# Altium PCB PCBv1.2.PcbDoc (part 1 of 2) (continued)
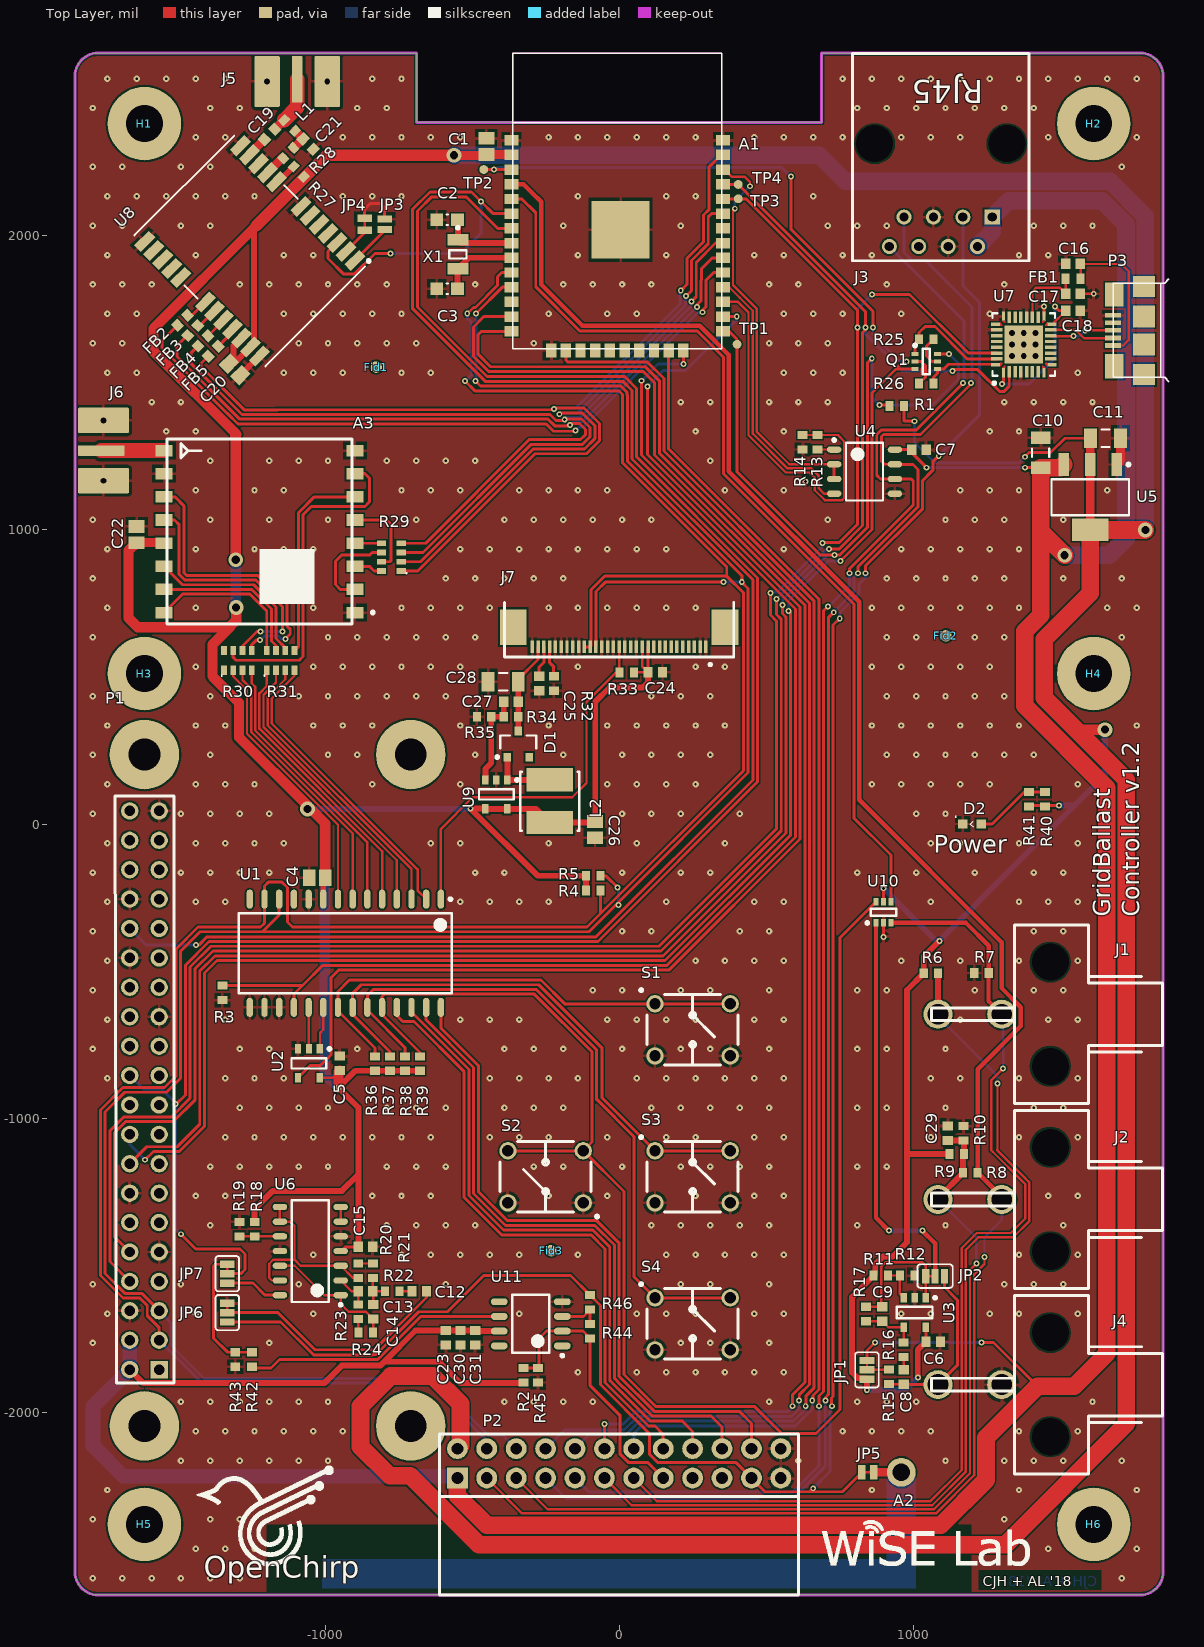
[diagram p0: Top Layer view]
## Footprints (in the part's own frame and the unit in brackets; to place one, negate y for a bottom-side part, rotate by r counter-clockwise, add the part's x,y. Pads: shape width x height; smd on the part's side, far side on the other; paste and mask are expansions set on the pad) (continued)
  rect 0.9x1.2 smd: 15(3.302,-0.127) 16(4.57,-0.127) 17(5.84,-0.127) 18(7.11,-0.127) 19(8.38,-0.127) 20(9.65,-0.127) 21(10.92,-0.127) 22(12.19,-0.127) 23(13.46,-0.127) 24(14.73,-0.127)
  Keep-Out Layer region: 0,19.558 18.034,19.558 18.034,25.527 0,25.527
  silkscreen extent 0,0 18.03,25.53, body extent 0,0 18.03,25.53, height 2
FB1608X09L [mm] "Chip Ferrite Bead, 2-Leads, Body 1.60x0.80mm, IPC High Density"
  rect 0.77x0.88 smd: 1(-0.615,0) 2(0.615,0)
  body extent -0.88,-0.48 0.88,0.48, height 0.95
"Fiducial 1mm" [mm] "Fiducial 1mm"
  round 1 smd paste-1 mask+0: ""(0,0)
"INDC1608X09L - IND0603 0.95MM TALL" [mm] "Chip Inductor, 2-Leads, Body 1.60x0.80mm, IPC High Density"
  rect 0.67x0.88 smd: 1(-0.665,0) 2(0.665,0)
  body extent -0.87,-0.48 0.87,0.47, height 0.95
"INDC1608X10L - FL0603" [mm] "Chip Inductor, 2-Leads, Body 1.60x0.80mm, IPC High Density"
  rect 0.68x0.92 smd: 1(-0.66,0) 2(0.66,0)
  body extent -0.9,-0.5 0.9,0.5, height 1
INDP4949X20L [mm] "Precision Wire Wound Inductor, 2-Leads, Body 4.90x4.90mm, IPC High Density"
  rect 2x4 smd: 1(-1.85,0) 2(1.85,0)
  silkscreen extent -2.55,-2.55 2.55,2.55, body extent -2.55,-2.45 2.55,2.45, height 2.1
ITTI-14340272-32.768KHz-2_V [mm] "Hand Drawn, 2-Leads, Body 3.2x1.5mm, Pitch 2.5mm"
  rect 1x1.8 smd: 1(-1.25,0) 2(1.25,0)
  silkscreen extent -2.43,-0.75 0.35,0.75, body extent -1.6,-0.75 1.6,0.75, height 0.9
"LED-0603-BLUE .7MM TALL" [mm] "Chip Diode, 2-Leads, Body 1.60x0.80mm, IPC High Density"
  rect 0.8x0.8 smd: A(0.8,0) K(-0.8,0)
  silkscreen extent -1.45,-0.25 0.13,0.68, body extent -1.01,-0.54 1.01,0.53, height 0.6
MicroUSB_TypeB [mm]
  rect 1.8x1.9 smd: 0(0,0) 0(7.6,0)
  rect 2.1x1.6 smd: 0(0.7,2.55) 0(6.9,2.55)
  rect 1.9x1.9 smd: 0(2.6,0) 0(5,0)
  rect 0.4x1.35 smd: 1(2.5,2.675) 2(3.15,2.675) 3(3.8,2.675) 4(4.45,2.675) 5(5.1,2.675)
  silkscreen extent -0.63,-2.16 8.26,2.67, body extent -0.18,-2.4 7.8,3.03, height 2.72
NEO [mm] "u-blox NEO GNSS module"
  rect 1.8x0.8 smd paste-0.1: 1(5.842,-7) 2(5.842,-5.9) 3(5.842,-4.8) 4(5.842,-3.7) 5(5.842,-2.6) 6(5.842,-1.5) 7(5.842,-0.4) 8(5.842,2.6) 9(5.842,3.7) 10(5.842,4.8) 11(5.842,5.9) 12(5.842,7) 13(-5.842,7) 14(-5.842,5.9) 15(-5.842,4.8) 16(-5.842,3.7) 17(-5.842,2.6) 18(-5.842,-0.4) 19(-5.842,-1.5) 20(-5.842,-2.6) 21(-5.842,-3.7) 22(-5.842,-4.8) 23(-5.842,-5.9) 24(-5.842,-7)
  silkscreen extent -6.11,-8 6.69,8, body extent -6.1,-8 6.1,8, height 2.28
PAD-JUMPER-2-NC_BY_TRACE_NO_SILK [mil]
  rect 25x50 smd: 1(-20,0) 2(20,0)
  Top Layer lines w8: 15,0 -15,0
PAD-JUMPER-2-NO_NO_SILK [mil]
  rect 25x50 smd: 1(-17.72,0) 2(17.72,0)
PAD-JUMPER-3-2OF3_NC_BY_TRACE_YES_SILK_FULL_BOX#1 [mil]
  rect 25x50 smd: 1(-32,0) 2(0,0) 3(32,0)
  Top Layer lines w8: 0,0 25,0
  silkscreen extent -60,-40 60,40
PAD-JUMPER-3-2OF3_NC_BY_TRACE_YES_SILK_FULL_BOX#2 [mil]
  rect 25x50 smd: 1(-32,0) 2(0,0) 3(32,0)
  Top Layer lines w8: 25,0 0.25,0 0,0
  silkscreen extent -60,-40 60,40
PQFN5X5-32_V_FTDI_BIG_VIAS_LEADS [mm] "QFN, 32-Leads, Body 5x5mm, Pitch 0.5mm, Thermal Pad 3.3x3.3mm, FTDI Recommended"
  rect 0.8x0.3 smd paste-0.15 mask-0.15: 1(-2.45,1.75) 8(-2.45,-1.75) 17(2.45,-1.75) 24(2.45,1.75)
  rect 1x0.3 smd mask+0.06: 2(-2.35,1.25) 3(-2.35,0.75) 4(-2.35,0.25) 5(-2.35,-0.25) 6(-2.35,-0.75) 7(-2.35,-1.25) 18(2.35,-1.25) 19(2.35,-0.75) 20(2.35,-0.25) 21(2.35,0.25) 22(2.35,0.75) 23(2.35,1.25)
  rect 0.3x0.8 smd paste-0.15 mask-0.15: 9(-1.75,-2.45) 16(1.75,-2.45) 25(1.75,2.45) 32(-1.75,2.45)
  rect 0.3x1 smd mask+0.06: 10(-1.25,-2.35) 11(-0.75,-2.35) 12(-0.25,-2.35) 13(0.25,-2.35) 14(0.75,-2.35) 15(1.25,-2.35) 26(1.25,2.35) 27(0.75,2.35) 28(0.25,2.35) 29(-0.25,2.35) 30(-0.75,2.35) 31(-1.25,2.35)
  rect 3.3x3.3 smd paste-1.125 mask+0.06: 33(0,0)
  Top Layer region: -2.05,-1.6 -1.85,-1.6 -1.85,-1.7 -2.05,-1.9
  Top Layer region: 2.05,-1.6 1.85,-1.6 1.85,-1.7 2.05,-1.9
  Top Layer region: 2.05,1.6 1.85,1.6 1.85,1.7 2.05,1.9
  Top Layer region: -2.05,1.6 -1.85,1.6 -1.85,1.7 -2.05,1.9
  Top Layer region: -1.6,-2.05 -1.6,-1.85 -1.7,-1.85 -1.9,-2.05
  Top Layer region: 1.6,2.05 1.6,1.85 1.7,1.85 1.9,2.05
  Top Layer region: -1.6,2.05 -1.6,1.85 -1.7,1.85 -1.9,2.05
  Top Layer region: 1.6,-1.85 1.6,-2.05 1.9,-2.05 1.7,-1.85
  silkscreen extent -3.47,-2.7 2.7,2.7, body extent -2.55,-2.55 2.55,2.55, height 1
"RASPBERRY PI ZERO" [mm] "Raspberry Pi Zero Header and Layout"
  round 6 hole 2.75 unplated mask+2: 0(0,-29) 0(0,29) 0(23,-29) 0(23,29)
  rect 1.5x1.5 hole 0.9: 1(1.27,-24.13)
  round 1.5 hole 0.9: 2(-1.27,-24.13) 3(1.27,-21.59) 4(-1.27,-21.59) 5(1.27,-19.05) 6(-1.27,-19.05) 7(1.27,-16.51) 8(-1.27,-16.51) 9(1.27,-13.97) 10(-1.27,-13.97) 11(1.27,-11.43) 12(-1.27,-11.43) 13(1.27,-8.89) 14(-1.27,-8.89) 15(1.27,-6.35) 16(-1.27,-6.35) 17(1.27,-3.81) 18(-1.27,-3.81) 19(1.27,-1.27) 20(-1.27,-1.27) 21(1.27,1.27) 22(-1.27,1.27) 23(1.27,3.81) 24(-1.27,3.81) 25(1.27,6.35) 26(-1.27,6.35) 27(1.27,8.89) 28(-1.27,8.89) 29(1.27,11.43) 30(-1.27,11.43) 31(1.27,13.97) 32(-1.27,13.97) 33(1.27,16.51) 34(-1.27,16.51) 35(1.27,19.05) 36(-1.27,19.05) 37(1.27,21.59) 38(-1.27,21.59) 39(1.27,24.13) 40(-1.27,24.13)
  silkscreen extent -2.54,-25.27 2.54,25.4
"RESC1608X06L - RES0603" [mm] "Chip Resistor, 2-Leads, Body 1.60x0.80mm, IPC High Density"
  rect 0.7x0.85 smd: 1(-0.625,0) 2(0.625,0)
  body extent -0.87,-0.48 0.87,0.48, height 0.55
RFM95/9697/98W [mm] "HopeRF RFM95 RFM96 RFM97 RFM98"
  rect 1.5x1 smd: 1(-8.25,7) 2(-8.25,5) 3(-8.25,3) 4(-8.25,1) 5(-8.25,-1) 6(-8.25,-3) 7(-8.25,-5) 8(-8.25,-7) 9(8.25,-7) 10(8.25,-5) 11(8.25,-3) 12(8.25,-1) 13(8.25,1) 14(8.25,3) 15(8.25,5) 16(8.25,7)
  silkscreen extent -9.9,-8 8,8, body extent -8,-8 8,8, height 1.8
"RJ45 Unshielded PTH Connector" [mm] "Amphenol 54601-908WPLF Unshielded RJ45 PTH Connector"
  round 0 hole 3.2 unplated: 0(-5.716,0) 0(5.716,0)
  rect 1.3x1.3 hole 0.8: 1(-4.444,6.35)
  round 1.3 hole 0.8: 2(-3.174,8.89) 3(-1.904,6.35) 4(-0.634,8.89) 5(0.636,6.35) 6(1.906,8.89) 7(3.176,6.35) 8(4.446,8.89)
  silkscreen extent -7.62,-7.8 7.62,10.12, body extent -7.62,-7.8 7.62,10.2, height 11.5
"SC-70-6  (SOT-363)" [mm] "TSOP, 6-Leads, Body 2.00x1.25mm, Pitch 0.65mm, IPC High Density"
  rect 0.648x0.406 smd mask+0.051: 1(-0.919,0.65) 2(-0.919,0) 3(-0.919,-0.65) 4(0.919,-0.65) 5(0.919,0) 6(0.919,0.65)
  silkscreen extent -1.04,-1.1 0.3,1.53, body extent -1.05,-1.1 1.05,1.1, height 1
"SMA Connector - Edge Mount Short" [mm] "Edge Mount SMA Connector - Shorter Footprint"
  rrect10% 0.9x4 smd paste+0 mask+0.05: 1(0,0)
  rrect10% 2.2x4.4 hole 0.5 mask+0.05: 2(-2.6,0.2) 2(2.6,0.2)
  body extent -3.17,-11.63 3.17,1.7, height 3.81
SOIC127P600X175-8L [mm] "SOIC, 8-Leads, Body 4.90x3.90mm, Pitch 1.27mm, IPC High Density"
  oval 1.25x0.55 smd: 1(-2.625,1.905) 2(-2.625,0.635) 3(-2.625,-0.635) 4(-2.625,-1.905) 5(2.625,-1.905) 6(2.625,-0.635) 7(2.625,0.635) 8(2.625,1.905)
  silkscreen extent -2.75,-2.5 1.6,2.85, body extent -3,-2.5 3,2.5, height 1.75
SOIC127P600X175-8N [mm] "SOIC, 8-Leads, Body 4.90x3.90mm, Pitch 1.27mm, IPC Medium Density"
  oval 1.45x0.6 smd: 1(-2.725,1.905) 2(-2.725,0.635) 3(-2.725,-0.635) 4(-2.725,-1.905) 5(2.725,-1.905) 6(2.725,-0.635) 7(2.725,0.635) 8(2.725,1.905)
  silkscreen extent -2.85,-2.5 1.6,2.88, body extent -2,-2.5 2,2.5, height 1.76
SOIC127P600X175-14L [mm] "SOIC, 14-Leads, Body 8.65x3.90mm, Pitch 1.27mm, IPC High Density"
  oval 1.25x0.55 smd: 1(-2.625,3.81) 2(-2.625,2.54) 3(-2.625,1.27) 4(-2.625,0) 5(-2.625,-1.27) 6(-2.625,-2.54) 7(-2.625,-3.81) 8(2.625,-3.81) 9(2.625,-2.54) 10(2.625,-1.27) 11(2.625,0) 12(2.625,1.27) 13(2.625,2.54) 14(2.625,3.81)
  silkscreen extent -2.75,-4.4 1.6,4.76, body extent -3,-4.4 3,4.4, height 1.75
SOIC127P1030X265-28L [mm] "SOIC, 28-Leads, Body 17.90x7.50mm, Pitch 1.27mm, IPC High Density"
  oval 1.65x0.55 smd: 1(-4.675,8.255) 2(-4.675,6.985) 3(-4.675,5.715) 4(-4.675,4.445) 5(-4.675,3.175) 6(-4.675,1.905) 7(-4.675,0.635) 8(-4.675,-0.635) 9(-4.675,-1.905) 10(-4.675,-3.175) 11(-4.675,-4.445) 12(-4.675,-5.715) 13(-4.675,-6.985) 14(-4.675,-8.255) 15(4.675,-8.255) 16(4.675,-6.985) 17(4.675,-5.715) 18(4.675,-4.445) 19(4.675,-3.175) 20(4.675,-1.905) 21(4.675,-0.635) 22(4.675,0.635) 23(4.675,1.905) 24(4.675,3.175) 25(4.675,4.445) 26(4.675,5.715) 27(4.675,6.985) 28(4.675,8.255)
  silkscreen extent -4.8,-9.2 3.45,9.21, body extent -5.15,-9.2 5.15,9.2, height 2.65
SOT65P210X110-6L [mm] "SOT23, 6-Leads, Body 2.00x2.10mm, Pitch 0.65mm, IPC High Density"
  rect 0.6x0.35 smd: 1(-0.975,0.65) 2(-0.975,0) 3(-0.975,-0.65) 4(0.975,-0.65) 5(0.975,0) 6(0.975,0.65)
  silkscreen extent -1.1,-1.1 0.3,1.5, body extent -0.67,-1.1 0.67,1.1, height 1.1
"SOT95P240X120-3L - ON Semi" [mm] "SOT23, 3-Leads, Body 2.92x2.40mm, Pitch 0.95mm, IPC High Density"
  rect 0.75x0.65 smd: 1(-1.125,0.95) 2(-1.125,-0.95) 3(1.125,0)
  silkscreen extent -1.25,-1.55 0.75,1.95, body extent -1.35,-1.56 1.35,1.56, height 1.2
SOT95P280X140-5L [mm] "SOT23, 5-Leads, Body 2.90x2.80mm, Pitch 0.95mm, IPC High Density"
  rect 0.8x0.55 smd: 1(-1.25,0.95) 2(-1.25,0) 3(-1.25,-0.95) 4(1.25,-0.95) 5(1.25,0.95)
  silkscreen extent -1.37,-1.5 0.45,1.9, body extent -1.5,-1.5 1.5,1.5, height 1.4
SOT95P280X145-5L [mm] "SOT23, 5-Leads, Body 2.90x2.80mm, Pitch 0.95mm, IPC High Density"
  rect 0.8x0.55 smd: 1(-1.275,0.95) 2(-1.275,0) 3(-1.275,-0.95) 4(1.275,-0.95) 5(1.275,0.95)
  silkscreen extent -1.4,-1.55 0.5,1.9, body extent -1.5,-1.53 1.5,1.53, height 1.45
"SOT95P280X145-5L - ON Semi" [mm] "SOT23, 5-Leads, Body 2.90x2.80mm, Pitch 0.95mm, IPC High Density"
  rect 0.8x0.55 smd: 1(-1.25,0.95) 2(-1.25,0) 3(-1.25,-0.95) 4(1.25,-0.95) 5(1.25,0.95)
  silkscreen extent -1.37,-1.5 0.45,1.9, body extent -1.5,-1.5 1.5,1.5, height 1.45
SOT230P700X180-4L [mm] "SOT223, 4-Leads, Body 6.50x7.00mm (avg), Pitch 2.30mm, IPC High Density"
  rect 1.95x0.9 smd: 1(-2.825,2.3) 2(-2.825,0) 3(-2.825,-2.3)
  rect 1.95x3.15 smd: 4(2.825,0)
  silkscreen extent -2.95,-3.35 1.55,3.43, body extent -1.85,-3.35 1.85,3.35, height 1.8
TactileSwitchTE17mm [mm] "TE 3-1825910-1 17mm Tactile Switch"
  round 1.5 hole 0.99: 1(-3.25,2.25) 2(3.25,2.25) 3(-3.25,-2.25) 4(3.25,-2.25)
  silkscreen extent -4.57,-3.05 3.94,3.56, body extent -3.9,-2.99 3.9,3, height 17
TestPoint1 [mil] "Small 0.762mm Round Test Point"
  round 30 smd paste-39.37: 1(0,0)

## Part data
A1: "ESP WROOM 32 Module", Supplier Part Number 1=1528-1801-ND, Supplier 1=Digi-Key
A2: library part "60Hz pickup with via", "5cm 60Hz pickup antenna with via for external wire"
A3: library part RFM95, "HopeRF RFM95 915MHz LoRa Radio", Supplier Part Number 1=1597-1488-ND, Supplier 1=Digi-Key, Supplier 2=Digi-Key, Supplier Part Number 2=RFM95W-915S2-ND
C1: library part "CAP0805 22uF 10% 6.3V X5R", "SMT 0805 Ceramic Capacitor", Supplier Part Number 1=1276-6687-1-ND, TempCoeff=X5R, Tolerance=10%, Voltage=6.3V, Supplier 1=Digi-Key, Supplier 2=Digi-Key, Supplier Part Number 2=311-1860-1-ND
C2 C3: library part CMP-1035-00607-1, "CAP 12pF 16V ±10% 0603 (1608 Metric) Thickness 1mm SMD", Case-EIA=0603, Case-Metric=1608, Rated Voltage="16 V", Tolerance=±10%, Max Thickness="1 mm", Technology=SMT
C4 C20 C22 C26: library part "CAP0805 10uF 10% 6.3V X5R", "SMT 0805 Ceramic Capacitor", Supplier Part Number 1=1276-6457-1-ND, TempCoeff=X5R, Tolerance=10%, Voltage=6.3V, Supplier 1=Digi-Key
C5 C6 C15 C21: library part "CAP0603 10000pF 10% 50V X7R", "SMT 0603 Ceramic Capacitor", Supplier Part Number 1=478-1215-1-ND, TempCoeff=X7R, Tolerance=10%, Voltage=50V, Supplier 1=Digi-Key, Supplier 2=Digi-Key, Supplier 3=Digi-Key, Supplier Part Number 2=311-1080-1-ND, Supplier Part Number 3=490-1494-1-ND
C7 C8: library part "CAP0603 4.7uF 10% 6.3V X7R", "SMT 0603 Ceramic Capacitor", Supplier Part Number 1=1276-2087-1-ND, TempCoeff=X7R, Tolerance=10%, Voltage=6.3V, Supplier 1=Digi-Key
C9 C16 C17 C18: library part "CAP0603 100pF 5% 50V NP0", "SMT 0603 Ceramic Capacitor", Supplier Part Number 1=399-1061-1-ND, TempCoeff=NP0, Tolerance=5%, Voltage=50V, Supplier 1=Digi-Key, Supplier 2=Digi-Key, Supplier Part Number 2=490-1427-1-ND
C10 C11: library part "CAP1206 4.7uF 10% 25V X5R", "SMT 1206 Ceramic Capacitor", Supplier Part Number 1=587-1336-1-ND, TempCoeff=X5R, Tolerance=10%, Voltage=25V, Supplier 1=Digi-Key
C12 C29 C31: library part "CAP0603 10uF 20% 6.3V X5R", "SMT 0603 Ceramic Capacitor", Supplier Part Number 1=587-1256-1-ND, TempCoeff=X5R, Tolerance=20%, Voltage=6.3V, Supplier 1=Digi-Key, Supplier 2=Digi-Key, Supplier Part Number 2=490-3896-1-ND
C13 C14 C30: library part "CAP0603 1uF 10% 10V X7R", "SMT 0603 Ceramic Capacitor", Supplier Part Number 1=1276-1946-1-ND, TempCoeff=X7R, Tolerance=10%, Voltage=10V, Supplier 1=Digi-Key, Supplier 2=Digi-Key, Supplier Part Number 2=399-3118-1-ND
C19: library part "CAP0603 47pF 5% 50V NP0", "SMT 0603 Ceramic Capacitor", Supplier Part Number 1=1276-1037-1-ND, TempCoeff=NP0, Tolerance=5%, Voltage=50V, Supplier 1=Digi-Key, Supplier 2=Digi-Key, Supplier 3=Arrow, Supplier 4=Digi-Key, Supplier Part Number 2=1276-2296-1-ND, Supplier Part Number 3=CFabNzdY6X6BB7Ej2OVMNUmEE8oTDHVGVspzp79aHa0, Supplier Part Number 4=399-1056-1-ND
C23 C27: library part "CAP0603 0.1uF 10% 25V X7R", "SMT 0603 Ceramic Capacitor", Supplier Part Number 1=311-1341-1-ND, TempCoeff=X7R, Tolerance=10%, Voltage=25V, Supplier 1=Digi-Key, Supplier 2=Digi-Key, Supplier Part Number 2=490-1524-1-ND
C24: library part "CAP0603 1uF 5% 10V X7R", "SMT 0603 Ceramic Capacitor", Supplier Part Number 1=478-10074-1-ND, TempCoeff=X7R, Tolerance=5%, Voltage=10V, Supplier 1=Digi-Key, Supplier 2=Mouser, Supplier 3=Digi-Key, Supplier Part Number 2=581-0603ZC105JAT2A, Supplier Part Number 3=311-3484-1-ND
C25: library part "CAP0603 2.2uF 10% 6.3V X7R", "SMT 0603 Ceramic Capacitor", Supplier Part Number 1=1276-2017-1-ND, TempCoeff=X7R, Tolerance=10%, Voltage=6.3V, Supplier 1=Digi-Key, Supplier 2=Digi-Key, Supplier Part Number 2=311-1795-1-ND
C28: library part "CAP1206 10uF 10% 16V X5R", "SMT 1206 Ceramic Capacitor", Supplier Part Number 1=1276-1137-1-ND, TempCoeff=X5R, Tolerance=10%, Voltage=16V, Supplier 1=Digi-Key, Supplier 2=Digi-Key, Supplier Part Number 2=490-10526-1-ND
D1: library part BAT54, "ON Semi BAT54 800mV Schottky Diode", Supplier Part Number 1=BAT54SLT1GOSCT-ND, Supplier 1=Digi-Key, Supplier 2=Mouser, Supplier Part Number 2=512-BAT54, Vf=800mV, Vr=30V
D2: library part "LED0603 BLUE 20mA 250mcd", "LED BLUE CLEAR 0603 SMD 145 mcd", Supplier Part Number 1=732-4966-6-ND, Supplier 1=Digi-Key
FB1: library part "FB0603 62Ohm", Supplier Part Number 1=732-6702-1-ND, Impedance at 100MHz=62Ohms, Supplier 1=Digi-Key
FB2 FB3 FB4 FB5: library part "FB0603 1kOhm", Supplier Part Number 1=490-1015-1-ND, Impedance at 100MHz=1kOhms, Supplier 1=Digi-Key
Fid1 Fid2 Fid3: library part "Fiducial 1mm", "1mm Fiducial Mark"
H1 H2 H3 H4 H5 H6: library part "1/8in by 1/4in Fastner Hole"
J1 J2 J4: library part "2POS 4.2mm Pitch Right Angle", "TE 1586043-2 - 2position 4.2mm pitch right angle with screw support", Supplier Part Number 1=A30626-ND, Positions=2, Supplier 1=Digi-Key
J3: library part "RJ45 Unshielded PTH Connector", "Amphenol RJ45 Unshielded Through-Hole Connector", Colour=Black, Contact Resistance=30mR, Current Rating=1A, Flammability Rating="UL94 V-0", Insulation Resistance=500MR, Manufacturer="Amphenol FCI", Manufacturer Part Number=54601-908WPLF, Max Operating Temperature=125°C, Min Operating Temperature=-65°C, Package Quantity=200, Supplier Part Number 1=609-5081-ND, Voltage Rating=1kV, ComponentLink1Description=https://datasheet.ciiva.com/9396/c-bmj-0051-9396388.pdf, ComponentLink1URL=https://datasheet.ciiva.com/9396/c-bmj-0051-9396388.pdf, ComponentLink2Description=https://datasheet.ciiva.com/26824/getdatasheetpartid-465238-26824373.pdf, ComponentLink2URL=https://datasheet.ciiva.com/26824/getdatasheetpartid-465238-26824373.pdf, ComponentLink3Description=https://datasheet.ciiva.com/1108/c-bmj-0051-1108424.pdf, ComponentLink3URL=https://datasheet.ciiva.com/1108/c-bmj-0051-1108424.pdf, ComponentLink4Description=https://datasheet.ciiva.com/15058/c-bmj-0051-15058750.pdf, ComponentLink4URL=https://datasheet.ciiva.com/15058/c-bmj-0051-15058750.pdf, ComponentLink5Description=https://datasheet.ciiva.com/16650/c-bmj-0051-16650286.pdf, ComponentLink5URL=https://datasheet.ciiva.com/16650/c-bmj-0051-16650286.pdf, ComponentLink6Description=https://datasheet.ciiva.com/7629/c-bmj-0051-7629183.pdf, ComponentLink6URL=https://datasheet.ciiva.com/7629/c-bmj-0051-7629183.pdf, Connector Type=RJ45, Contact Material=Bronze,Copper, Contact Plating=Nickel,Gold, Depth=18mm, Direction=Down, Gender=Male, Housing Colour=Black, Housing Material=Polyamide, Lead Free="Lead Free", Length=15.24mm, Mount="Through Hole", Number of Contacts=8, Number of Ports=1, Number of Positions=8, Number of Positions Loaded=8, Number of Rows=1, Orientation="Right Angle", Packaging=Rail/Tube, Pitch=2.54mm, Pricing 2="1=0.51, 10=0.377, 50=0.377, 100=0.362, 1000=0.26, 10000=0.212 (USD)", Radiation Hardening=No, REACH SVHC="No SVHC", Shielding=Unshielded, Stock 2=0, Supplier 1=Digi-Key, Supplier 2=Mouser, Supplier Part Number 2=649-54601-908WPLF, Termination="Through Hole"
J5 J6: Supplier Part Number 1=CON-SMA-EDGE-S-ND, Supplier 1=Digi-Key, Supplier 2=Digi-Key, Supplier 3=Digi-Key, Supplier Part Number 2=931-1174-ND, Supplier Part Number 3=931-1175-ND
J7: library part "31 Position Flat Flex ZIF Connector", "TE 3-1734839-1 31 Position Flat Flex ZIF Connector", Supplier Part Number 1=A101346CT-ND, Positions=31, Supplier 1=Digi-Key
L1: library part "IND0603 27nH 400mA 5% 650mOhm 1.7GHz", "SMT 0603 Ceramic Inductor", Current Rating=300mA, DC Resistance=450mOhm, Supplier Part Number 1=732-6268-1-ND, Tolerance=5%, Self Resonant=1.7GHz, Supplier 1=Digi-Key
L2: library part "INDWW 10uH 1.45A 20% 144mOhm 24MHz", "SMT Wire Wound Inductor", Current Rating=1.45A, DC Resistance=144mOhm, Supplier Part Number 1=587-2409-1-ND, Tolerance=20%, Self Resonant=24MHz, Supplier 1=Digi-Key, Supplier 2=Mouser, Supplier Part Number 2=963-NRS5020T100MMGJ
P1: library part "Raspberry Pi Zero Mate", "The header and mechanical drawings for connnecting a Raspbery Pi Zero"
P2: library part "0.1\" 2 row 24 position female right-angle header sullins", "Sullins 0.1\" 2 row 24 position female right-angle header", Supplier Part Number 1=S5526-ND, Pitch=2.54mm, Positions=24, Rows=2, Supplier 1=Digi-Key, Supplier 2=Digi-Key, Supplier Part Number 2=S5565-ND
P3: library part "MicroUSB TypeB", "Micro USB Type B Port", Supplier Part Number 1=609-4613-1-ND, Datasheet=http://portal.fciconnect.com/Comergent//fci/drawing/10118192.pdf, Supplier=http://www.digikey.com/product-detail/en/amphenol-fci/10118192-0001LF/609-4613-2-ND/2785387, Supplier 1=Digi-Key
Q1: library part MBT3904DW1T1G, "3904 Dual NPN Transistor", Supplier Part Number 1=MBT3904DW1T1GOSCT-ND, Supplier 1=Digi-Key, Supplier 2=Mouser, Supplier Part Number 2=863-SMBT3904DW1T1G
R1 R3 R11 R12 R25 R26 R36 R37 R38 R39 R44 R46: library part "RES0603 10K 1% 1/10W", "SMT 0603 Ceramic Resistor", Power=1/10W, Supplier Part Number 1=311-10.0KHRCT-ND, Tolerance=1%, Supplier 1=Digi-Key, Supplier 2=Digi-Key, Supplier 3=Digi-Key, Supplier Part Number 2=RMCF0603FT10K0CT-ND, Supplier Part Number 3=P10.0KHCT-ND
R2 R45: library part RC0603FR-07249RL, "RES SMD 249 OHM 1% 1/10W 0603", Case/Package=0603, Case Code (Metric)=1608, Manufacturer=Yageo, Max Operating Temperature=155°C, Max Power Dissipation=100mW, Min Operating Temperature=-55°C, Package Quantity=1, Supplier Part Number 1=311-249HRDKR-ND, Temperature Coefficient=100ppm/°C, Tolerance=1%, Voltage Rating=50V, Case Code (Imperial)=0603, ComponentLink1Description=https://datasheet.ciiva.com/2454/pyu-r-int-thick-7-2454858.pdf, ComponentLink1URL=https://datasheet.ciiva.com/2454/pyu-r-int-thick-7-2454858.pdf, ComponentLink2Description=https://datasheet.ciiva.com/2454/pyu-r-int-thick-7-2454859.pdf, ComponentLink2URL=https://datasheet.ciiva.com/2454/pyu-r-int-thick-7-2454859.pdf, ComponentLink3Description=https://datasheet.ciiva.com/2454/pyu-r-int-thick-7-2454860.pdf, ComponentLink3URL=https://datasheet.ciiva.com/2454/pyu-r-int-thick-7-2454860.pdf, Composition="Thick Film", Depth=0.8mm, Height=0.022inch, Lead Free="Lead Free", Length=0.063inch, Manufacturer Part Number=RC0603FR-07249RL, Military Standard=Not, Number of Terminations=2, Packaging="Tape and Reel", Power Rating=100mW, Pricing 1="1=0.1, 10=0.015, 100=0.006, 1000=0.00268, 2500=0.00233 (USD)", Resistance=249R, Stock 1=517619, Supplier 1=Digi-Key, Termination=SMD/SMT, Voltage Rating (DC)=50V, Width=0.031inch
R4 R5 R33: library part "RES0603 4.7K 1% 1/10W", "SMT 0603 Ceramic Resistor", Power=1/10W, Supplier Part Number 1=311-4.70KHRCT-ND, Tolerance=1%, Supplier 1=Digi-Key, Supplier 2=Digi-Key, Supplier 3=Digi-Key, Supplier Part Number 2=P4.70KHCT-ND, Supplier Part Number 3=RMCF0603FT4K70CT-ND
R6 R28 R40 R41: library part "RES0603 10 1% 1/10W", "SMT 0603 Ceramic Resistor", Power=1/10W, Supplier Part Number 1=311-10.0HRCT-ND, Tolerance=1%, Supplier 1=Digi-Key, Supplier 2=Digi-Key, Supplier 3=Digi-Key, Supplier Part Number 2=RMCF0603FT10R0CT-ND, Supplier Part Number 3=CR0603-FX-10R0ELFCT-ND
R7: library part "RES0603 3M 1% 1/10W", "SMT 0603 Ceramic Resistor", Power=1/10W, Supplier Part Number 1=541-3.00MHCT-ND, Tolerance=1%, Supplier 1=Digi-Key, Supplier 2=Digi-Key, Supplier 3=Digi-Key, Supplier Part Number 2=RMCF0603FT3M00CT-ND, Supplier Part Number 3=1276-4958-1-ND
R8: library part "RES0603 33 1% 1/10W", "SMT 0603 Ceramic Resistor", Power=1/10W, Supplier Part Number 1=311-33.0HRCT-ND, Tolerance=1%, Supplier 1=Digi-Key, Supplier 2=Digi-Key, Supplier 3=Digi-Key, Supplier Part Number 2=RMCF0603FT33R0CT-ND, Supplier Part Number 3=P33.0HCT-ND
R9 R10 R27: library part "RES0603 1K 1% 1/10W", "SMT 0603 Ceramic Resistor", Power=1/10W, Supplier Part Number 1=311-1.00KHRCT-ND, Tolerance=1%, Supplier 1=Digi-Key, Supplier 2=Digi-Key, Supplier 3=Digi-Key, Supplier Part Number 2=P1.00KHCT-ND, Supplier Part Number 3=RMCF0603FG1K00CT-ND
R13 R42: library part "RES0603 2.43K 1% 1/10W", "SMT 0603 Ceramic Resistor", Power=1/10W, Supplier Part Number 1=311-2.43KHRDKR-ND, Tolerance=1%, Supplier 1=Digi-Key, Supplier 2=Mouser, Supplier Part Number 2=603-RC0603FR-072K43L
R14 R43: library part "RES0603 4.32K 1% 1/10W", "SMT 0603 Ceramic Resistor", Power=1/10W, Supplier Part Number 1=311-4.32KHRTR-ND, Tolerance=1%, Supplier 1=Digi-Key, Supplier 2=Digi-Key, Supplier 3=Digi-Key, Supplier Part Number 2=P4.32KHCT-ND, Supplier Part Number 3=CRCW06034K32FKEB-ND
R15: library part "RES0603 2.2K 1% 1/10W", "SMT 0603 Ceramic Resistor", Power=1/10W, Supplier Part Number 1=311-2.20KHRCT-ND, Tolerance=1%, Supplier 1=Digi-Key
R16: library part "RES0603 1.5K 1% 1/10W", "SMT 0603 Ceramic Resistor", Power=1/10W, Supplier Part Number 1=311-1.50KHRCT-ND, Tolerance=1%, Supplier 1=Digi-Key, Supplier 2=Digi-Key, Supplier Part Number 2=RMCF0603FT1K50CT-ND
R17 R18 R19: library part "RES0603 100K 1% 1/10W", "SMT 0603 Ceramic Resistor", Power=1/10W, Supplier Part Number 1=311-100KHRCT-ND, Tolerance=1%, Supplier 1=Digi-Key
R20: library part "RES0603 43 1% 1/10W", "SMT 0603 Ceramic Resistor", Power=1/10W, Supplier Part Number 1=311-43.0HRCT-ND, Tolerance=1%, Supplier 1=Digi-Key, Supplier 2=Digi-Key, Supplier Part Number 2=P43.0HCT-ND
R21: library part "RES0603 91 1% 1/10W", "SMT 0603 Ceramic Resistor", Power=1/10W, Supplier Part Number 1=311-91.0HRCT-ND, Tolerance=1%, Supplier 1=Digi-Key, Supplier 2=Digi-Key, Supplier 3=Digi-Key, Supplier Part Number 2=541-91.0HCT-ND, Supplier Part Number 3=RHM91CFCT-ND
R22: library part "RES0603 13.3K 1% 1/10W", "SMT 0603 Ceramic Resistor", Power=1/10W, Supplier Part Number 1=311-13.3KHRCT-ND, Tolerance=1%, Supplier 1=Digi-Key, Supplier 2=Digi-Key, Supplier Part Number 2=P13.3KHCT-ND
R23 R24: library part "RES0603 28K 0.1% 1/10W", "SMT 0603 Ceramic Resistor", Power=1/10W, Supplier Part Number 1=YAG4680CT-ND, Tolerance=0.1%, Supplier 1=Digi-Key, Supplier 2=Digi-Key, Supplier Part Number 2=P28KDBCT-ND
R29 R30 R31: library part "RESARR1206 100 5% 1/16W", Power=1/16W, Supplier Part Number 1=YC164J-100CT-ND, Tolerance=5%, Supplier 1=Digi-Key
R32: library part "RES0603 910K 1% 1/10W", "SMT 0603 Ceramic Resistor", Power=1/10W, Supplier Part Number 1=311-910KHRCT-ND, Tolerance=1%, Supplier 1=Digi-Key, Supplier 2=Digi-Key, Supplier 3=Digi-Key, Supplier Part Number 2=P910KHCT-ND, Supplier Part Number 3=RMCF0603FT910KCT-ND
R34: library part "RES0603 205K 1% 1/10W", "SMT 0603 Ceramic Resistor", Power=1/10W, Supplier Part Number 1=311-205KHRCT-ND, Tolerance=1%, Supplier 1=Digi-Key, Supplier 2=Digi-Key, Supplier 3=Digi-Key, Supplier Part Number 2=P205KHCT-ND, Supplier Part Number 3=541-205KHCT-ND
R35: library part "RES0603 23.2K 1% 1/10W", "SMT 0603 Ceramic Resistor", Power=1/10W, Supplier Part Number 1=311-23.2KHRCT-ND, Tolerance=1%, Supplier 1=Digi-Key, Supplier 2=Digi-Key, Supplier 3=Digi-Key, Supplier Part Number 2=541-23.2KHCT-ND, Supplier Part Number 3=RMCF0603FG23K2CT-ND
S1 S2 S3 S4: library part "TE 3-1825910-1 17mm Tactile Switch", "TE 3-1825910-1 17mm Tactile Switch", Supplier Part Number 1=450-1643-ND, Supplier 1=Digi-Key
TP1 TP2 TP3 TP4: library part TestPoint1, "Small 0.762mm Round Test Point"
U1: library part MCP23017T-E/SO, "Microchip MCP23017 I2C 16CH IO Expander", Supplier Part Number 1=MCP23017T-E/SOCT-ND, Supplier 1=Digi-Key
U2: library part NC7S32M5X, "Fairchild/ON Semi NC7S32M5X Single OR Gate", Supplier Part Number 1=NC7S32M5XCT-ND, Supplier 1=Digi-Key
U3: library part LMV793MF/NOPB, "TI LMV793MF/NOPB 88MHz Single OP-Amp", Supplier Part Number 1=LMV793MF/NOPBCT-ND, Bandwidth=88MHz, Slew Rate="35 V/us", Supplier 1=Digi-Key
U4: library part SN65176B, "Half Duplex RS485 Tranceiver", Supplier Part Number 1=296-14636-1-ND, Supplier 1=Digi-Key, Supplier 2=Mouser, Supplier Part Number 2=595-SN65176BDR
U5: "AP2114 3.3V Fixed LDO Regulator", Supplier Part Number 1=AP2114H-3.3TRG1DICT-ND, Supplier 1=Digi-Key
U6: library part LM324DR2G, "ON Semi LM324DR2G 1MHz Quad OP-Amp", Supplier Part Number 1=LM324DR2GOSCT-ND, Supplier 1=Digi-Key
U7: "USB UART Asynchronous Serial Data Transfer Chip, 32-pin QFN, Tape and Reel", Manufacturer=FTDI, ComponentLink1Description="Manufacturer URL", ComponentLink1URL=http://www.ftdichip.com/, ComponentLink2Description=Datasheet, ComponentLink2URL=http://www.ftdichip.com/Support/Documents/DataSheets/ICs/DS_FT232R.pdf, DatasheetVersion="ver 2.10, Mar-2012", PackageDescription="32-Pin Quad Flat No-Lead 0.5 mm Pitch, Pullback, 3.2 x 3.2 mm Exposed Pad", PackageReference=PQFN5X5-32, PackageVersion=Mar-12, PartNumber=FT232RQ-Reel
U8: library part NEO, "u-blox NEO GNSS module", Manufacturer=u-blox, Part Description="u-blox GNSS module"
U9: library part FAN5331, "ON Semi FAN5531 Boost Converter", Supplier Part Number 1=FAN5331SXCT-ND, Supplier 1=Digi-Key, Supplier 2=Mouser, Supplier Part Number 2=512-FAN5331SX
U10: "IC, SWITCH, SPDT ANA, SMD", Case/Package=SC, High Level Output Current=128mA, Manufacturer="Texas Instruments", Max Operating Temperature=125°C, Max Supply Current=10uA, Max Supply Voltage=5.5V, Min Operating Temperature=-40°C, Min Supply Voltage=1.65V, On-State Resistance=15R, Operating Supply Current=1uA, Package Quantity=3000, Supplier Part Number 1=SN74LVC1G3157DCKR/BKN, Bandwidth=300MHz, ComponentLink1Description=https://datasheet.ciiva.com/1669/sn74lvc1g3157-1669380.pdf, ComponentLink1URL=https://datasheet.ciiva.com/1669/sn74lvc1g3157-1669380.pdf, ComponentLink2Description=https://datasheet.ciiva.com/1514/1857156-1514549.pdf, ComponentLink2URL=https://datasheet.ciiva.com/1514/1857156-1514549.pdf, ComponentLink3Description=https://datasheet.ciiva.com/1669/sn74lvc1g3157-1669381.pdf, ComponentLink3URL=https://datasheet.ciiva.com/1669/sn74lvc1g3157-1669381.pdf, ComponentLink4Description=https://datasheet.ciiva.com/14435/sn74lvc1g3157-14435733.pdf, ComponentLink4URL=https://datasheet.ciiva.com/14435/sn74lvc1g3157-14435733.pdf, ComponentLink5Description=https://datasheet.ciiva.com/34301/756764-34301477.pdf, ComponentLink5URL=https://datasheet.ciiva.com/34301/756764-34301477.pdf, ComponentLink6Description=https://datasheet.ciiva.com/1514/1857156-1514550.pdf, ComponentLink6URL=https://datasheet.ciiva.com/1514/1857156-1514550.pdf, ComponentLink7Description=https://datasheet.ciiva.com/1669/sn74lvc1g3157-1669382.pdf, ComponentLink7URL=https://datasheet.ciiva.com/1669/sn74lvc1g3157-1669382.pdf, ComponentLink8Description=https://datasheet.ciiva.com/46411/1786793-46411528.pdf, ComponentLink8URL=https://datasheet.ciiva.com/46411/1786793-46411528.pdf, ComponentLink9Description=https://datasheet.ciiva.com/16539/sn74lvc1g3157-16539371.pdf, ComponentLink9URL=https://datasheet.ciiva.com/16539/sn74lvc1g3157-16539371.pdf, ComponentLink10Description=https://datasheet.ciiva.com/15127/getdatasheetpartid-187022-15127388.pdf, ComponentLink10URL=https://datasheet.ciiva.com/15127/getdatasheetpartid-187022-15127388.pdf, ComponentLink11Description=https://datasheet.ciiva.com/41461/001187224-da-01-en-ic-switch-sn74lvc1g3157dckr-sc-70-6-tid-41461882.pdf, ComponentLink11URL=https://datasheet.ciiva.com/41461/001187224-da-01-en-ic-switch-sn74lvc1g3157dckr-sc-70-6-tid-41461882.pdf, Contact Plating=Gold, Height=0.9mm, Lead Free="Lead Free", Length=2mm, Low Level Output Current=128mA, Manufacturer Part Number=SN74LVC1G3157DCKR, Mount="Surface Mount", Nominal Supply Current=10uA, Number of Bits=1, Number of Channels=1, Number of Inputs=1, Number of Outputs=2, Number of Pins=6, Packaging="Tape and Reel", Polarity=Non-Inverting, Pricing 1="1=0.29612, 30=0.2755, 75=0.21727, 150=0.1881, 375=0.15656, 3000=0.07742, 6000=0.07106, 12000=0.07058, 18000=0.07011, 30000=0.05947 (USD)", Propagation Delay=300ps, Radiation Hardening=No, REACH SVHC="No SVHC", Stock 1=76000, Supplier 1=Avnet, Supply Type=Single, Termination=SMD/SMT, Throw Configuration=SPDT, Turn-Off Delay Time=3.8ns, Turn-On Delay Time=5.7ns, Weight=8.8E-05oz, Width=1.25mm
U11: "IC OPAMP VFB 400MHZ 8SO", Case/Package=SOIC, Input Bias Current=2uA, Input Offset Voltage (Vos)=1.5mV, Manufacturer="Linear Technology", Max Dual Supply Voltage=6.3V, Max Operating Temperature=85°C, Max Supply Voltage=12.6V, Min Dual Supply Voltage=1.75V, Min Operating Temperature=-40°C, Min Supply Voltage=3.5V, Operating Supply Current=9mA, Output Current per Channel=70mA, Package Quantity=100, Power Supply Rejection Ratio (PSRR)=78dB, Supplier Part Number 1=LT1818IS8#PBF-ND, Voltage Gain=72.04dB, Common Mode Rejection Ratio=73dB, ComponentLink1Description=https://datasheet.ciiva.com/1805/1191-1805828.pdf, ComponentLink1URL=https://datasheet.ciiva.com/1805/1191-1805828.pdf, Gain Bandwidth Product=400MHz, Lead Free="Lead Free", Manufacturer Part Number=LT1818IS8#PBF, Nominal Gain Bandwidth Product=400MHz, Number of Channels=1, Number of Circuits=1, Number of Elements=1, Number of Pins=8, Packaging=Rail/Tube, Pricing 1="1=2.36, 25=1.6728, 100=1.377 (USD)", Slew Rate=2500V/µs, Stock 1=576, Supplier 1=Digi-Key, Unity Gain Bandwidth Product=360MHz
X1: library part CMP-0463-00001-2, "Crystal, 32.768 KHz, -40 to 85 degC, 3.2 x 1.5 x 0.9 mm SMD", Frequency Tolerance="+/-20 ppm", Load Capacitance="12.5 pF", Manufacturer=ITTI, Nominal Frequency=32.768KHz, Operating Temperature="-40 to 85 degC", ComponentLink1Description="Manufacturer URL", ComponentLink1URL=http://www.itti-co.com, Drive Level="1 max. uw", Mounting Technology="Surface Mount", PackageDescription="2-Pin Hand Drawn, Body 3.2 x 1.5mm, Pitch 2.5 mm", PackageReference=14340272-32.768KHz-2, PartNumber=14340272-32.768KHz

## Via types
v1: diameter 22, hole 8, Top Layer to Bottom Layer, tented both sides, 673 vias
v2: diameter 20, hole 10, Top Layer to Bottom Layer, tented both sides, 98 vias
v3: diameter 35, hole 20, Top Layer to Bottom Layer, tented top, 9 vias
v4: diameter 50, hole 28, Top Layer to Bottom Layer, tented both sides, 7 vias

## Nets (pads, with @x,y where several pads share a name; then routed paths per layer and width w, separated by ;. In a path a pad name is that pad's centre, name@x,y a point inside that pad or via, vN(x,y) a via of type N, cw(c..) or ccw(c..) an arc to the next point about the centre after c; other vN are vias at no path point)
3.3V: A1.2 A3.13 C1.2 C4.2 C5.2 C6.2 C11.2 C15.2 C20.2 C22.2 C24.2 C26.2 J7.11 J7.12 JP1.1 L2.1 P2.2 R1.2 R4.2 R5.2 R6.2 R9.2 R11.2 R18.2 R27.2 R33.2 R36.2 R37.2 R38.2 R39.2 R40.1 R41.1 U1.9 U2.5 U3.5 U5.2 U5.4 U6.4 U8.22 U8.23 U9.4 U9.5 U10.5 | length 25388.5
  Top Layer w8: U2.5@-1017.44,-863.2 -975.26,-863.2 C5.2@-954.32,-842.26 ; R33.2@50.04,515.78 C24.2@98.29,515.78 C24.2@98.43,515.68
  Top Layer w10: U6.4@-946.83,-1452.4 -932.63,-1438.21 C15.2@-886.87,-1438.21 ; J7.12@78.74,602.36 78.74,535.36 C24.2@98.29,515.78 ; C24.2@98.43,515.68 J7.11@98.43,602.36 ; U10.5@899.33,-264.13 v2(899.33,-218.7) ; R1.2@969.4,1421.54 969.4,1370.65 1003.78,1370.65 v2(1004.63,1369.79) ; U3.5@1042.31,-1711.73 1043.66,-1713.07 C6.2@1043.66,-1760.31 ; v2(1379.99,1248.78) 1394.21,1263 1467.1,1263 1516.03,1311.93 C11.2@1603.05,1311.93 ; R41.1@1393.59,58.97 1397.25,62.63 v2(1496.26,62.63)
  Top Layer w20: U8.22@-1284.74,1652.94 -1311.16,1626.52 -1311.16,1581.62 C20.2@-1327.25,1565.52 -1310.91,1565.52 U8.23@-1254.12,1622.31 -1241.66,1634.77 -1241.66,2026.84 ; R18.2@-1239.36,-1353.02 -1239.36,-1309.6 -1177.55,-1247.79 -942.84,-1247.79 -886.87,-1191.81 ; U1.9@-1006.05,-255.56 -1006.05,-189.58 C4.2@-998.92,-182.45 ; C15.2@-886.87,-1438.21 -886.87,-1191.81 ; R39.2@-676.95,-839.25 R37.2@-779.25,-839.25 R36.2@-830.4,-839.25 -896.82,-839.25 v2(-954.32,-896.75) -886.87,-964.21 -886.87,-1191.81 ; R4.2@-112.28,-226.63 R5.2@-112.28,-175.95 -277.06,-175.95 v2(-505.96,52.95) -456.02,52.95 U9.4@-454.61,51.54 U9.5@-379.8,51.54 -282.94,51.54 L2.1@-235.99,4.59 -85.96,4.59 C26.2@-81.97,8.58 ; C26.2@-81.28,8.58 -81.28,415.71 -32.45,464.54 80.02,464.54 98.32,482.84 C24.2@98.29,515.78 ; v2(842.39,-1925.11) 842.84,-1924.66 JP1.1@842.84,-1888.41 839.34,-1884.91 811.22,-1884.91 791.86,-1865.56 791.86,-1609.19 R11.2@865.69,-1535.37 871.12,-1529.93 871.12,-1497.59 897.9,-1470.81 930.24,-1470.81 978.78,-1422.28 978.78,-1122.49 ; v2(1016.05,-1882.25) 1015.5,-1881.7 1015.5,-1788.47 C6.2@1043.66,-1760.31 ; v2(1090.04,-398.51) 1087.77,-398.51 1035.92,-450.36 R6.2@1035.92,-507.41 978.78,-564.55 978.78,-1122.49 ; R9.2@1123.31,-1122.49 978.78,-1122.49
  Top Layer w30: C22.2@-1641.07,956.86 -1549.54,956.86 A3.13@-1547.8,955.13 ; v4(-561.19,2274.01) C1.2@-454.13,2274.01 ; C1.2@-451.43,2276.71 -367.35,2276.71 A1.2@-366.24,2275.6 ; U5.4@1602.21,1000.08 U5.2@1602.21,1222.52 1602.21,1311.09 C11.2@1603.05,1311.93
  Top Layer w35: C22.2@-1641.07,956.86 -1668.78,929.16 -1668.78,701.54 -1636.7,669.46 -1323.24,669.46 ; v4(-1304,898.3) -1304,1319.4 -1305.13,1320.52 -1301.05,1324.59 -1583.11,1606.65 -1583.11,1685.39 -1241.66,2026.84 -1233.86,2034.65 ; v4(-1302.45,736.11) -1302.45,693.04 -1323.24,672.25 -1323.24,669.46 ; C4.2@-998.92,-182.45 -998.92,1.66 -1048.6,51.34 v4(-1059.51,51.34) -1059.51,62.25 -1292.77,295.52 -1292.77,412.92 -1382.98,503.12 -1382.98,609.72 -1323.24,669.46 ; v2(-954.32,-896.75) -954.32,-842.26 C5.2@-950.65,-838.59 ; 1563.12,311.83 1572.29,321 v4(1652.75,321)
  Top Layer w40: -1233.86,2034.65 -994.49,2274.01 v4(-561.19,2274.01) ; C1.2@-454.13,2274.01 C1.2@-451.43,2276.71
  Top Layer w60: P2.2@-550,-2124.41 -539.38,-2113.79 -539.38,-1971.55 -633.41,-1877.52 -776.73,-1877.52 -879.37,-1980.16 -879.37,-2118.03 -780.43,-2216.97 -710.46,-2216.97 -476.43,-2451 1314,-2451 1724.88,-2040.12 1724.88,150.07 1563.12,311.83 1445.62,429.33 1445.62,628.25 1602.21,784.84 U5.4@1602.21,1000.08 v4(1789.79,1000.08)
  Bottom Layer w10: v2(1004.63,1369.79) 1004.63,1297.75 1074.71,1227.68 1358.89,1227.68 v2(1379.99,1248.78)
  Bottom Layer w20: v4(-1059.51,51.34) -1048.6,51.34 -507.57,51.34 v2(-505.96,52.95) ; v2(842.39,-1925.11) 973.18,-1925.11 v2(1016.05,-1882.25) ; v2(899.33,-218.7) 1079.13,-398.51 v2(1090.04,-398.51) 1090.04,-396.24 1548.91,62.63 ; v2@1494.97,62.63 v2(1496.26,62.63) 1548.91,62.63 ; v4(1652.75,321) 1652.75,166.48 1548.91,62.63
  Bottom Layer w35: v4(-1304,898.3) -1304,741.53 -1305.13,740.4 -1301.64,736.91 v4(-1302.45,736.11) ; v4@-1048.6,51.34 -1000.72,3.47 -1000.72,-850.35 v2(-954.32,-896.75)
  Bottom Layer w60: v4(-561.19,2274.01) 680.98,2274.01 769.1,2185.89 1669.83,2185.89 1789.79,2065.94 v4(1789.79,1000.08)
5V: C7.2 C10.2 C23.2 C30.2 C31.2 J3.1 J3.2 JP1.3 P1.2 P1.4 P2.1 R2.2 U4.8 U5.3 U11.7 | length 12683.5
  Top Layer w10: JP1.3@842.84,-1824.41 842.84,-1790.66 v2(870.23,-1763.28) ; U4.8@937.98,1273.38 951.66,1273.38 952.38,1274.1 995.03,1274.1 C7.2@995.03,1273.38 995.03,1262.6 v2(1045.95,1211.68) ; v2(1232.46,-1763.28) 1273.62,-1763.28 1422.87,-1912.52 ; v2(1379.88,1211.68) C10.2@1433.84,1211.68
  Top Layer w20: P1.2@-1664.17,-1855.51 -1618.03,-1901.65 -1002.84,-1901.65 -943.39,-1842.2 -812.23,-1842.2 -798.68,-1828.65 ; U11.7@-407.61,-1724.69 -487.41,-1724.69 C31.2@-489.38,-1722.72 C30.2@-539.38,-1722.72 C23.2@-589.38,-1722.72 -692.75,-1722.72 -798.68,-1828.65 ; R2.2@-325.41,-1899.43 -327.63,-1901.65 -539.38,-1901.65 -612.38,-1828.65 -798.68,-1828.65
  Top Layer w50: P2.1@-556.33,-2218.08 P2.1@-550,-2224.41 ; 1433.84,994.94 1433.84,1002.39
  Top Layer w60: P2.1@-550,-2224.41 -550,-2284.1 -449.1,-2385 1093.76,-2385 1247.93,-2230.82 1247.93,-2087.46 1422.87,-1912.52 1547.38,-1912.52 1658.65,-1801.26 1658.65,122.64 1379.62,401.67 1379.62,655.58 1433.84,709.8 1433.84,994.94 v4(1515.12,913.65) ; 1433.84,1002.39 C10.2@1433.84,1211.68 1500.82,1211.68 U5.3@1511.66,1222.52
  Bottom Layer w10: v2(870.23,-1763.28) v2(1232.46,-1763.28) ; v2(1045.95,1211.68) v2(1379.88,1211.68)
  Bottom Layer w50: P1.4@-1664.17,-1755.51 P1.2@-1664.17,-1855.51 -1789.27,-1980.61 -1789.27,-2114.89 -1686.09,-2218.08 P2.1@-556.33,-2218.08
  Bottom Layer w60: J3.2@1218.96,1964 1268.96,2014 J3.1@1268.96,2064 1324.85,2119.89 1642.49,2119.89 1723.79,2038.6 1723.79,970.35 1667.09,913.65 v4(1515.12,913.65)
60Hz: A1.7 JP7.2 P1.22 | length 6791
  Top Layer w10: v2(-1508.47,-952.26) -1508.47,-954.79 -1475,-921.32 -1475,-480 -1394.75,-399.75 -72.17,-399.75 471,143.42 471,837.02 59.83,1248.19 59.83,1472.64 59.54,1472.94 59.54,1481 18.93,1521.61 -448.82,1521.61 -685.91,1758.69 -685.91,2084.57 -637.43,2133.05 -520.32,2133.05 -412.87,2025.6 A1.7@-366.24,2025.6 ; v2(-1490,-1395.04) -1439.56,-1445.48 -1289.28,-1445.48 -1272.18,-1462.59 -1272.18,-1514.77 -1286.7,-1529.29 JP7.2@-1332.48,-1529.29
  Bottom Layer w10: P1.22@-1664.17,-855.51 -1617.56,-902.13 -1555.37,-902.13 -1505.24,-952.26 v2(-1508.47,-952.26) -1508.47,-1376.57 v2(-1490,-1395.04)